# Allegro board MK60_PACK_V10A.brd (continued)
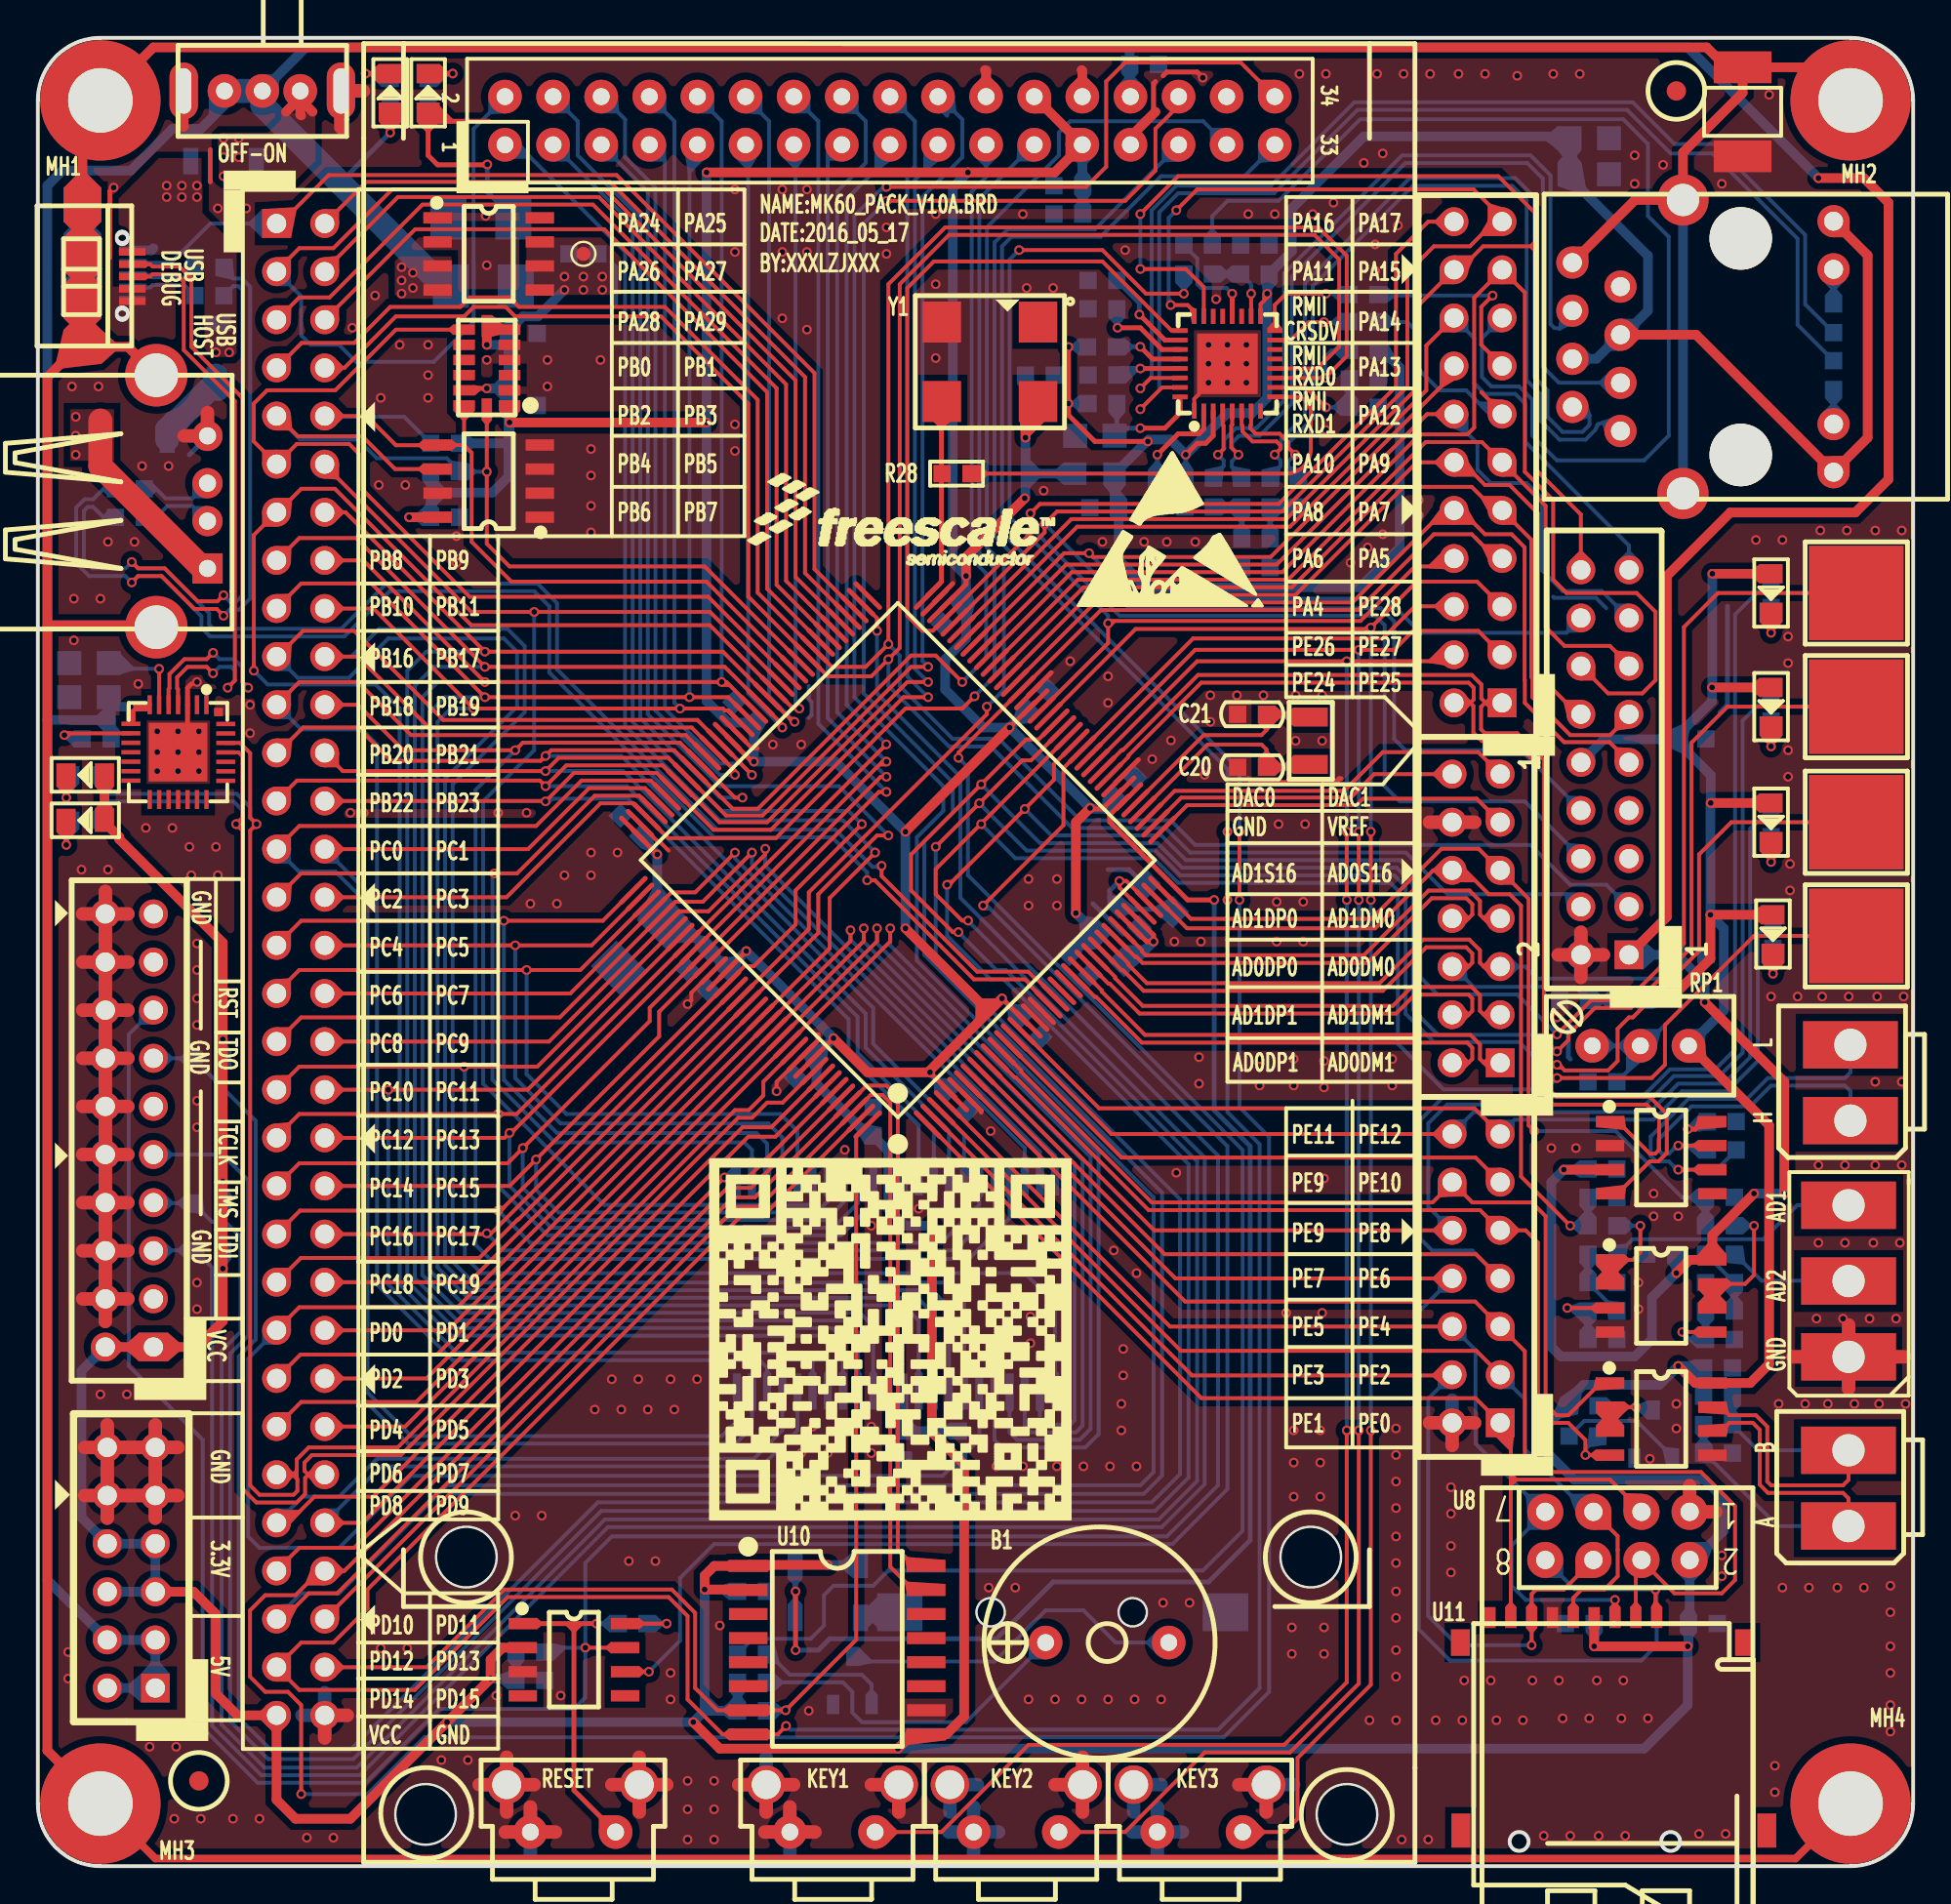
[diagram p0: board, top side]
## Routing (per net, layer and track width the routed paths; a pad name or vN(x,y) marks a point on that pad's centre or on a via; arc(x,y) is an arc through that point) (continued)
ADC1_DM0: length 23
  TOP w0.203: U2.30 58.28,48.35 58.28,48.28 58.49,48.08 70,48.08 73.42,51.49 75.58,51.49 76.13,50.94 76.13,50.22 76.34,50.02 J6.7
ADC1_DP0: length 22.6
  TOP w0.203: U2.29 57.93,48 58,48 58.32,47.67 70.17,47.67 73.59,51.09 75.41,51.09 75.73,50.77 75.73,50.22 75.52,50.02 J6.8
ADIN1: length 13.3
  BOTTOM w0.203: J10.3 92.88,34.88 91.09,33.09 84.19,33.09 83.4,32.3 R38.1
ADIN2: length 6.6
  BOTTOM w0.203: J10.2 95.58,30.9 91,30.9 89.6,32.3 R43.1
ADXL_INT: length 49.9
  TOP w0.203: U6.8 18.9,81.1 15.7,77.9 12.1,77.9 11.4,77.2 11.4,75.2 J1.11 13.67,75.07 16.43,75.07 17.1,74.4 17.1,72.69 22.79,67 35.39,67 U2.85
B5: length 76.3
  TOP w0.203: U2.86 35.48,66.2 v1(26.2,66.2) 22.89,66.2 15.14,73.95 J1.12
  BOTTOM w0.203: v1(26.2,66.2) 26.2,58.9 23.5,56.2 23.5,41.3 29.9,34.9 40.7,34.9 40.9,35.1 U1.28
B6: length 137
  TOP w0.203: v1(40.2,61.1) 39.87,61.1 U2.87 38.86,62.12 35.47,65.5 22.88,65.5 15.68,72.7 13.9,72.7 12.66,71.46 J1.13 11.4,70.26 v1(11.4,63.1)
  BOTTOM w0.203: U1.16 41.7,27.5 41.2,28 21.8,28 19.1,30.7 19.1,61.1 17.83,62.37 12.13,62.37 v1(11.4,63.1) ; J2.13 40,90.76 40,61.3 v1(40.2,61.1)
B7: length 127.2
  TOP w0.203: J1.14 16.24,71.46 v1(23.6,64.1) 36.17,64.1 U2.88 39.87,60.4 v1(39.95,60.4)
  BOTTOM w0.203: v1(23.6,64.1) 20.5,64.1 19.5,63.1 19.5,30.87 21.97,28.4 41.93,28.4 42.5,27.83 U1.15 ; J2.12 37.36,93.34 38.6,92.1 38.6,61.75 v1(39.95,60.4)
B8: length 126.1
  TOP w0.203: v1(39.3,60.1) 39.3,60.26 U2.89 36.26,63.3 v1(23.6,63.3) 16.8,70.1 13.8,70.1 12.62,68.92 J1.15
  BOTTOM w0.203: v1(23.6,63.3) 20.9,63.3 19.9,62.3 19.9,31.03 22.13,28.8 42.66,28.8 43.3,28.16 U1.14 ; v1(39.3,60.1) 37.5,61.9 37.5,90.72 J2.11
B9: length 119.8
  TOP w0.203: 37.8,61.05 U2.90 36.35,62.5 v1(36.1,62.5) v1(23.6,62.5) 17.18,68.92 J1.16
  BOTTOM w0.203: v1(23.6,62.5) 21.1,62.5 20.3,61.7 20.3,31.2 22.3,29.2 43.39,29.2 44.1,28.49 U1.13 ; J2.10 34.82,93.38 36.1,92.1 v1(36.1,62.5)
B10: length 121
  TOP w0.203: 37.45,60.7 36.45,61.7 v1(34.4,61.7) v1(23.6,61.7) 17.6,67.7 13.9,67.7 12.6,66.4 J1.17
  BOTTOM w0.203: U1.10 46.5,28.8 45.7,29.6 22.53,29.6 20.7,31.43 20.7,60.9 21.5,61.7 v1(23.6,61.7) ; J2.9 34.4,90.44 v1(34.4,61.7)
B11: length 119.7
  TOP w0.203: J1.18 17.72,66.38 v1(23,61.1) v1(33.9,61.1) 36.17,61.1 36.27,61 36.44,61 U2.92
  BOTTOM w0.203: v1(33.9,61.1) 33.6,61.4 33.6,92.1 32.3,93.4 J2.8 ; v1(23,61.1) 21.8,61.1 21.1,60.4 21.1,31.6 22.7,30 46.43,30 47.3,29.13 U1.9
B16: length 145.2
  TOP w0.203: v1(37.7,57.6) 37.7,57.6 37.1,58.2 37.1,58.22 U2.95 34.82,60.5 21.4,60.5 16.7,65.2 14,65.2 12.64,63.84 J1.19
  BOTTOM w0.203: J1.19 13.72,62.72 16.42,62.72 18.5,64.8 24.6,64.8 25.3,64.1 25.3,61.2 21.5,57.4 21.5,31.73 22.83,30.4 47.2,30.4 48.1,29.5 U1.8 ; J2.7 33.1,90.04 33.1,61.1 36,58.2 37.1,58.2 37.7,57.6 v1(37.7,57.6)
B17: length 141.8
  TOP w0.203: v1(36.8,57.6) 36.8,57.81 U2.96 35.68,58.93 34.51,60.1 20.64,60.1 16.9,63.84 J1.20
  BOTTOM w0.203: J1.20 16.54,63.84 18,65.3 24.8,65.3 25.7,64.4 25.7,60.9 21.9,57.1 21.9,31.9 23,30.8 47.93,30.8 48.9,29.83 U1.7 ; v1(36.8,57.6) 36,57.6 32.6,61 32.6,88.6 31,90.2 31,92.2 29.8,93.4 J2.6
B18: length 83.2
  TOP w0.203: J1.21 13.8,62.5 16.9,62.5 19.7,59.7 34.2,59.7 U2.97
  BOTTOM w0.203: J1.21 13.9,60 17.1,60 17.9,59.2 17.9,30.7 21.9,26.7 38.1,26.7 38.5,26.3 U1.20
B19: length 124.8
  TOP w0.203: J1.22 16.9,61.3 19.3,58.9 v1(25.2,58.9) 25.6,59.3 33.9,59.3 U2.98 36.8,56.4 v1(37.2,56.4)
  BOTTOM w0.203: U1.41 51.3,34.2 49.15,32.05 23.85,32.05 23.1,32.8 23.1,56.8 v1(25.2,58.9) ; v1(37.2,56.4) 36,56.4 31.8,60.6 31.8,87 28.5,90.3 28.5,92.1 J2.4
B20: length 106.2
  TOP w0.203: J1.23 12.66,58.76 14,60.1 16.9,60.1 18.66,58.34 26.54,58.34 v1(26.8,58.6) 27.1,58.9 33.59,58.9 U2.99 36.68,55.81 38.01,55.81 46.1,63.9 47.4,63.9 v1(48.8,62.5)
  BOTTOM w0.203: J2.21 50.06,89.16 49.3,88.4 49.3,69 50.06,68.24 50.06,63.76 v1(48.8,62.5) ; v1(26.8,58.6) 30.8,58.6 44.1,45.3 44.1,43.4 48.9,38.6 U1.38
B21: length 102.6
  TOP w0.203: J1.24 16.1,57.8 v1(26.8,57.8) 27.5,58.5 33.28,58.5 34.26,57.52 U2.100 36.33,55.46 38.26,55.46 46.1,63.3 v1(47,63.3)
  BOTTOM w0.203: 48,92.4 48,92.92 J2.20 47.6,93.4 48.8,92.2 48.8,90.2 46.7,88.1 46.7,63.6 v1(47,63.3) ; v1(26.8,57.8) 30.9,57.8 43.7,45 43.7,43.2 48.1,38.8 U1.37
B22: length 100.6
  TOP w0.203: v1(47,62.5) 45.9,62.5 38.5,55.1 35.98,55.1 U2.101 32.98,58.1 27.9,58.1 v1(26.8,57) 26.5,57.3 13.68,57.3 J1.25
  BOTTOM w0.203: v1(47,62.5) 46.3,63.2 46.3,89 47.52,90.22 J2.19 ; v1(26.8,57) 31.1,57 43.28,44.82 43.28,42.92 47.3,38.9 U1.36
B23: length 100.3
  TOP w0.203: 26.78,56.22 26.82,56.22 28.3,57.7 32.67,57.7 U2.102 35.67,54.7 38.7,54.7 45.7,61.7 v1(47,61.7) ; 26.78,56.22 v1(26.8,56.2) ; 26.78,56.22 J1.26
  BOTTOM w0.203: v1(47,61.7) 45.9,62.8 45.9,89.3 46.3,89.7 46.3,92.1 45,93.4 J2.18 ; v1(26.8,56.2) 26.94,56.34 31.16,56.34 42.8,44.7 42.8,42.8 46.5,39.1 U1.35
BL: length 71.3
  TOP w0.203: v1(49.45,61.75) 48.8,61.1 45.8,61.1 38.96,54.26 33.28,54.26 U2.106 31.44,56.1 29.7,56.1 24.74,51.14 J1.30
  BOTTOM w0.203: v1(49.45,61.75) 50.5,62.8 50.5,68.5 49.7,69.3 49.7,88 52.56,90.86 J2.23
C0: length 78.2
  TOP w0.203: J1.27 12.6,53.7 13.8,54.9 26.3,54.9 28.7,57.3 32.36,57.3 U2.103
  BOTTOM w0.203: J1.27 13.78,52.5 15.7,52.5 17,51.2 17,24.83 19.53,22.3 36.83,22.3 37.7,23.17 U1.21
C1: length 71.3
  TOP w0.203: U2.104 32.05,56.9 29.1,56.9 25.88,53.68 J1.28
  BOTTOM w0.203: U1.22 36.9,23.5 36.1,22.7 19.7,22.7 17.4,25 17.4,51.42 J1.28
C2: length 50
  TOP w0.203: J1.29 12.64,51.14 13.9,52.4 v1(24.1,52.4) 25.3,52.4 29.4,56.5 31.75,56.5 U2.105
  BOTTOM w0.203: v1(24.1,52.4) 24,52.3 24,41.5 27.3,38.2 37.3,38.2 37.7,37.8 U1.24
C4: length 45.5
  TOP w0.203: J1.31 13.9,49.9 v1(24.6,49.9) 29.83,49.9 31.43,51.51
  BOTTOM w0.203: U1.25 38.5,38.13 37.93,38.7 27.4,38.7 24.6,41.5 v1(24.6,49.9)
C5: length 42.2
  TOP w0.203: U2.110 29.23,48.6 v1(25.2,48.6) J1.32
  BOTTOM w0.203: U1.26 39.3,38.46 38.56,39.2 27.6,39.2 25.2,41.6 v1(25.2,48.6)
C6: length 45
  TOP w0.203: J1.33 12.6,46.1 13.8,47.3 v1(25.8,47.3) 28.64,47.3 U2.111
  BOTTOM w0.203: U1.27 40.1,38.79 39.19,39.7 27.9,39.7 25.8,41.8 v1(25.8,47.3)
C7: length 48.2
  TOP w0.203: v1(36.8,53.5) 34.7,51.4 33.45,51.4 U2.112 28.11,46.06 J1.34
  BOTTOM w0.203: U1.42 52.1,37.9 36.8,53.2 v1(36.8,53.5)
C8: length 52.7
  TOP w0.203: J1.35 12.62,43.52 13.9,44.8 27.55,44.8 U2.113 33.65,50.9 35.1,50.9 v1(37.7,53.5)
  BOTTOM w0.203: U1.43 52.9,37.7 37.7,52.9 v1(37.7,53.5)
C9: length 51.3
  TOP w0.203: J1.36 26.98,43.52 U2.114 33.86,50.4 35.4,50.4 38.4,53.4 v1(38.4,53.7)
  BOTTOM w0.203: U1.44 53.7,37.5 38.4,52.8 v1(38.4,53.7)
C10: length 71.3
  TOP w0.203: J1.37 12.6,41 13.8,42.2 v1(22.5,42.2) 26.37,42.2 U2.115
  BOTTOM w0.203: v1(22.5,42.2) 22.54,42.16 22.54,32.16 23.4,31.3 52.1,31.3 53.7,29.7 U1.1
C11: length 58
  TOP w0.203: J1.38 v1(18.5,40.98) 25.85,40.98 33.91,49.03 U2.116
  BOTTOM w0.203: U1.17 40.9,26.6 40.4,27.1 22.1,27.1 18.5,30.7 v1(18.5,40.98)
C12: length 101
  TOP w0.203: J1.39 12.6,38.5 13.8,39.7 v1(24.3,39.7) 25.28,39.7 34.26,48.68 U2.117 v1(44.79,59.21)
  BOTTOM w0.203: v1(24.3,39.7) 24.3,35.9 26.9,33.3 42.4,33.3 44.1,35 U1.32 ; v1(44.79,59.21) 42.7,61.3 42.7,88 44.98,90.28 J2.17
C13: length 99.2
  TOP w0.203: v1(44.8,58.3) 44.59,58.3 U2.118 24.99,38.7 v1(24.9,38.7) 24.64,38.44 J1.40
  BOTTOM w0.203: U1.31 43.3,35 42,33.7 27.1,33.7 24.9,35.9 v1(24.9,38.7) ; J2.16 42.44,93.36 43.7,92.1 43.7,89.9 42.2,88.4 42.2,60.9 v1(44.8,58.3)
C14: length 97.9
  TOP w0.203: J1.41 13.8,37.1 24.8,37.1 v1(25.6,37.9) 32.3,44.6 32.3,45.3 U2.119 44.5,57.5 v1(44.8,57.5)
  BOTTOM w0.203: U1.30 42.5,35 41.6,34.1 27.3,34.1 25.6,35.8 v1(25.6,37.9) ; v1(44.8,57.5) 41.7,60.6 41.7,90.12 J2.15
C15: length 96.8
  TOP w0.203: v1(44.8,56.7) 44.4,56.7 U2.120 32.8,45.1 32.8,43.8 v1(26.3,37.3) 24.9,35.9 J1.42
  BOTTOM w0.203: v1(26.3,37.3) 26.3,35.7 27.5,34.5 41.1,34.5 41.7,35.1 U1.29 ; v1(44.8,56.7) 41.2,60.3 41.2,92.1 J2.14
C16: length 115.9
  TOP w0.203: v1(43.5,55) 40,51.5 40,49.7 37.8,47.5 37.3,47.5 36.38,46.58 U2.123 24.43,34.6 v1(24.3,34.6) 13.84,34.6 J1.43
  BOTTOM w0.203: J2.3 31.4,86.66 31.4,60.4 36.1,55.7 42.8,55.7 v1(43.5,55) ; v1(24.3,34.6) 26,32.9 47.7,32.9 49.7,34.9 U1.39
C17: length 56.8
  TOP w0.203: U2.124 23.89,33.36 23.66,33.36 ; J1.44 23.66,33.36 ; 23.66,33.36 v1(23.7,33.4)
  BOTTOM w0.203: U1.40 50.5,34.57 48.43,32.5 24.6,32.5 v1(23.7,33.4)
C18: length 93.7
  TOP w0.203: J1.45 13.88,32.1 23.3,32.1 25.33,34.13 25.37,34.13 U2.125 40.7,49.46 40.7,51.4 50.1,60.8 v1(50.1,61.2)
  BOTTOM w0.203: v1(50.1,61.2) 51,62.1 51,68.7 50.1,69.6 50.1,86.5 53.9,90.3 53.9,91.5 54.5,92.1 61.52,92.1 J2.31
C19: length 87.2
  TOP w0.203: v1(44.9,54.4) 44.3,54.4 41.2,51.3 41.2,49.25 22.77,30.82 J1.46
  BOTTOM w0.203: J2.5 32.2,88.4 32.2,60.8 36,57 42.3,57 v1(44.9,54.4)
CAN_RX: length 59.9
  TOP w0.203: U12.4 83.39,35.49 85.1,37.2 85.56,37.2 86,37.64 86,39.7 85.1,40.6 80.17,40.6 79.51,41.27 79.51,58.39 78.1,59.8 76.39,59.8 76.19,60 76.19,61.19 76.4,61.4 76.44,61.4 ; U2.46 57.22,58.91 57.29,58.91 61.25,62.87 75.7,62.87 76.21,62.37 76.21,61.63 76.44,61.4 ; 76.44,61.4 J4.1
CAN_TX: length 58.2
  TOP w0.203: 75.62,61.4 75.8,61.58 75.8,62.2 75.53,62.47 61.42,62.47 57.58,58.62 57.58,58.56 U2.45 ; 75.62,61.4 75.78,61.24 75.78,59.83 76.23,59.39 77.93,59.39 79.1,58.23 79.1,41.1 80.01,40.19 84.93,40.19 85.59,39.53 85.59,37.81 85.39,37.61 85.1,37.61 83.41,39.3 U12.1 ; 75.62,61.4 J4.2
CE: length 54.9
  TOP w0.203: 77.76,20.4 77.76,22.84 J7.1 75.9,24.7 61.43,24.7 46.99,39.13 ; 77.76,20.4 83,20.4 84.66,18.74 U8.3 ; 77.76,20.4 U11.8
CLK_50M: length 10.7
  TOP w0.203: R28.1 47.74,73.44 47.7,73.4
  TOP w0.254: 46.99,67.07 46.99,67.09 47.7,67.8 47.7,75.96 47.72,75.98 Y1.3
CONFIG0: length 3.6
  TOP w0.254: U5.28 58.85,79.55 v1(58.2,80.2)
  BOTTOM w0.254: R27.1 56.95,80.2 v1(58.2,80.2)
CONFIG1: length 3.5
  TOP w0.254: U5.29 v1(58.2,79.05)
  BOTTOM w0.254: R29.1 57.31,79.05 v1(58.2,79.05)
CONFIG2: length 4
  TOP w0.203: U5.18 v1(64.05,83)
  BOTTOM w0.203: R22.1 R30.1 64.05,83.49 v1(64.05,83)
D0: length 87.4
  TOP w0.203: 37.8,45.14 22.15,29.5 13.8,29.5 12.6,28.3 J1.47
  BOTTOM w0.203: J1.47 11.1,26.78 11.1,17.4 11.7,16.8 15.9,16.8 19.7,20.6 47.76,20.6 R1.2 49.7,22.54 U1.6
D1: length 90.7
  TOP w0.203: v1(44.2,53.5) 41.8,51.1 41.8,48.44 U2.128 21.64,28.28 J1.48
  BOTTOM w0.203: v1(44.2,53.5) 44.2,53.51 42.51,55.2 36,55.2 31,60.2 31,85.2 25.34,90.86 J2.1
D2: length 74.8
  TOP w0.203: J1.49 13.86,27 21.07,27 32.1,38.03 U2.129 42.9,48.83 v1(42.9,49.4)
  BOTTOM w0.203: U1.2 52.9,23.5 53.1,23.3 54.5,23.3 54.73,23.53 54.73,37.07 42.9,48.9 v1(42.9,49.4)
D3: length 74.9
  TOP w0.203: J1.50 20.52,25.74 U2.130 43.6,48.83 v1(43.6,49.5)
  BOTTOM w0.203: v1(43.6,49.5) 43.6,48.8 55.15,37.25 55.15,23.25 54.8,22.9 52.4,22.9 52.1,23.2 U1.3
D4: length 80.9
  TOP w0.203: J1.51 13.9,24.5 19.98,24.5 U2.131 39.21,43.73 44.3,48.82 v1(44.3,49.5)
  BOTTOM w0.203: v1(44.3,49.5) 44.3,48.7 55.58,37.42 55.58,23.08 55,22.5 51.7,22.5 51.3,22.9 U1.4
D5: length 80.9
  TOP w0.203: v1(45,49.5) 45,48.81 U2.132 19.39,23.2 J1.52
  BOTTOM w0.203: U1.5 50.5,22.5 50.9,22.1 55.3,22.1 56,22.8 56,37.6 45,48.6 v1(45,49.5)
D8: length 69.2
  TOP w0.203: J1.55 13.22,18.12 14.6,19.5 17.7,19.5 37.2,39 38.72,39 U2.137
  BOTTOM w0.203: J1.55 13.98,19.5 15.9,19.5 17.9,21.5 37.8,21.5 39.3,23 U1.19
D9: length 65.2
  TOP w0.203: U2.138 38.93,38.5 37.5,38.5 17.12,18.12 J1.56
  BOTTOM w0.203: U1.18 40.1,23 38.2,21.1 18.12,21.1 J1.56
D10: length 40.6
  TOP w0.203: J1.57 12.6,15.6 13.8,16.8 16.7,16.8 v1(36.25,36.35) 37.49,36.35 U2.139
  BOTTOM w0.203: U1.23 v1(36.25,36.35)
D11: length 206.1
  TOP w0.203: v1(63.44,54.6) v1(63.44,51) ; U2.140 37.65,35.8 36.4,35.8 16.18,15.58 J1.58 14.88,15.58 13.6,14.3 12,14.3 11.2,13.5 11.2,10 12,9.2 13.2,9.2 13.9,8.5 v1(13.9,3.8)
  BOTTOM w0.203: v1(63.44,54.6) 63.44,57.87 50.9,70.4 50.9,85.5 51.4,86 56.1,86 59.3,89.2 63.7,89.2 65.3,90.8 J2.33 ; v1(63.44,51) 63.44,40.06 65,38.5 65,9.2 62.6,6.8 20.4,6.8 17.4,3.8 v1(13.9,3.8)
DAC0_OUT: length 16.7
  TOP w0.203: U2.38 60.37,56.4 69.31,56.4 70.55,57.64 J6.14
DAC1_OUT: length 20.4
  TOP w0.203: J6.13 76.04,58.8 71,58.8 68.96,56.76 60.02,56.76 U2.39
E6: length 87.1
  TOP w0.203: J7.7 75.92,32.3 59.48,32.3 U2.9
  BOTTOM w0.203: R2.2 89.6,66.06 89.6,43.1 88.56,42.06 86.16,42.06 84.7,40.6 74.2,40.6 73,39.4 73,33.1 73.61,32.49 75.73,32.49 J7.7
E7: length 72.1
  TOP w0.203: U2.10 58.93,33.56 J7.10
  BOTTOM w0.203: J7.10 74.64,33.56 73.4,34.8 73.4,39.2 74.4,40.2 84.87,40.2 86.37,41.7 88.77,41.7 90,42.93 90,60.46 R3.2
E10: length 29
  TOP w0.203: U2.13 57.21,37.4 75.9,37.4 J7.11
E11: length 56.2
  TOP w0.203: U2.14 56.68,38.64 J7.14
  BOTTOM w0.203: J7.14 74.66,38.66 75.8,39.8 85.1,39.8 86.6,41.3 89,41.3 90.4,42.7 90.4,54.76 R5.2
E12: length 50.5
  TOP w0.203: U2.15 56.03,40 75.84,40 J7.13
  BOTTOM w0.203: R7.2 90.8,49.16 90.8,42.5 89.2,40.9 86.8,40.9 85.3,39.4 77.96,39.4 J7.13
E26: length 103.4
  TOP w0.203: U2.47 61.2,63.6 69.1,63.6 v1(69.1,63.6) 74.42,63.6 J4.4 ; v1(69.1,23) 69.1,9.7 65.8,6.4 52.3,6.4 47.7,1.8 SW1.3 ; v1(69.1,51) v1(69.1,54.6)
  BOTTOM w0.203: v1(69.1,63.6) v1(69.1,54.6) ; v1(69.1,51) v1(69.1,23)
E27: length 98.8
  TOP w0.203: U2.48 61.1,64.2 69.68,64.2 69.71,64.23 v1(69.73,64.2) 71.6,64.2 72.6,65.2 76.04,65.2 J4.3 ; SW3.3 57.4,1.8 61.6,6 66.1,6 69.73,9.63 v1(69.73,23) ; v1(69.73,51) v1(69.73,54.6)
  BOTTOM w0.203: v1(69.73,51) v1(69.73,23) ; v1(69.73,64.2) v1(69.73,54.6)
E28: length 107.2
  TOP w0.203: U3.6 v1(32.26,10.26) ; v1(49.9,50.7) 54.14,54.94 54.14,57.96 U2.49 60.99,64.8 71,64.8 72.7,66.5 74.74,66.5 J4.6
  BOTTOM w0.203: v1(32.26,10.26) 33.9,11.9 33.9,15.2 35.7,17 59.9,17 62.8,19.9 62.8,38 50.1,50.7 v1(49.9,50.7)
EXTAL32: length 11.7
  TOP w0.203: X1.1 67.05,60.8 C21.2 64.86,59.96 64.6,59.7 61.55,59.7 U2.41
I2C_SCL: length 48.3
  TOP w0.203: U6.14 v1(23.7,73.6) 23.7,69.8 24.9,68.6 35.2,68.6 40.27,63.53 U2.83 ; J1.9 12.66,76.54 13.73,75.47 17.13,75.47 18.86,73.74 U7.6
  BOTTOM w0.203: J1.9 13.84,75.3 16.9,75.3 17.89,74.31 21.59,74.31 22.26,73.64 R36.2 v1(23.7,73.6)
I2C_SDA: length 41.4
  TOP w0.203: 22.49,75.01 22.5,75.02 U6.13 ; 22.49,75.01 22.9,74.6 22.9,69.9 25,67.8 35.3,67.8 U2.84 ; 22.49,75.01 U7.5 21.09,75 18.9,75 17.36,76.54 J1.10
  BOTTOM w0.203: J1.10 16.13,76.54 16.17,76.5 19.34,76.5 R35.2
JTAG_TCLK: length 210.7
  TOP w0.203: T1.1 88.7,67.2 86.9,65.4 86.9,48.7 83.9,45.7 82,45.7 v1(80.2,43.9) ; v1(48,51.8) 48.1,51.8 v1(52.1,55.8) 53.64,57.34 53.64,58.16 54.77,59.29 U2.50
  BOTTOM w0.203: v1(52.1,55.8) 53.5,54.4 59.31,54.4 60.61,53.1 71.9,53.1 73,52 73,46.9 73.89,46.01 78.09,46.01 v1(80.2,43.9) ; v1(48,51.8) 48,49.11 50.31,46.8 51,46.8 60.75,37.05 60.75,20.51 58.99,18.75 29.75,18.75 16.65,5.65 12.15,5.65 10.15,7.65 10.15,27.05 11.1,28 11.1,36.2 9.74,37.56 J3.9
JTAG_TDI: length 197.3
  TOP w0.203: v1(49.8,55) 49.77,55 ; 49.77,55 U2.51 ; 49.77,55 47.4,52.63 47.4,51.3 48.79,49.91 v1(49.11,49.91) ; v1(80.2,41.6) 85.2,41.6 85.9,42.3 85.9,44.4 90.6,49.1 T4.1
  BOTTOM w0.203: J3.5 6.12,32.5 R8.1 8.3,32.5 9.2,31.6 9.2,7.4 11.8,4.8 17,4.8 30.1,17.9 59.34,17.9 61.6,20.16 61.6,37.4 49.2,49.8 49.2,49.82 v1(49.11,49.91) ; v1(80.2,41.6) 79.6,41 74.2,41 71.8,43.4 71.8,51.5 71.4,51.9 60.2,51.9 58.9,53.2 51.6,53.2 v1(49.8,55)
JTAG_TDO: length 208.3
  TOP w0.203: v1(80.2,42.3) 80.3,42.3 80.6,42 82.9,42 83.4,42.5 83.4,44.2 84,44.8 84.2,44.8 87.7,48.3 87.7,53.4 89.4,55.1 T3.1 ; U2.52 52.43,58.37 51.97,58.37 v1(49.7,56.1) v1(47.4,53.8)
  BOTTOM w0.203: v1(80.2,42.3) 79.4,42.3 78.2,43.5 73.7,43.5 72.21,44.99 72.21,51.69 71.6,52.3 60.3,52.3 59,53.6 52.2,53.6 v1(49.7,56.1) ; J3.13 7.51,42.64 7.55,42.6 R10.1 11.5,39.34 11.5,27.8 10.6,26.9 10.6,7.84 12.34,6.1 16.46,6.1 29.56,19.2 58.8,19.2 60.3,20.7 60.3,35.2 47.4,48.1 v1(47.4,53.8)
JTAG_TMS: length 210.5
  TOP w0.203: v1(80.2,43) 80.8,43.6 80.8,43.9 82.2,45.3 84.1,45.3 87.3,48.5 87.3,59.3 89.2,61.2 T2.1 ; U2.53 52.83,59.47 52.17,59.47 v1(49.8,57.1) 46.1,53.4 46.1,51.5 48.3,49.3 v1(48.6,49.3)
  BOTTOM w0.203: v1(80.2,43) 79.33,43.87 73.93,43.87 72.6,45.2 72.6,51.83 71.73,52.7 60.41,52.7 59.11,54 52.9,54 v1(49.8,57.1) ; v1(48.6,49.3) 50.6,47.3 51.1,47.3 61.2,37.2 61.2,20.33 59.17,18.3 29.93,18.3 16.83,5.2 11.97,5.2 9.7,7.47 9.7,27.2 10.7,28.2 10.7,33.2 9.9,34 9.2,34 8.24,34.96 R9.1 6.12,35 J3.7
LED0: length 57.5
  TOP w0.203: U5.30 58.75,78.55 v1(58.2,78)
  BOTTOM w0.203: R19.2 93.3,82.44 93.3,86.1 88.5,90.9 86.4,90.9 84.2,93.1 69.5,93.1 65.1,88.7 60.1,88.7 58.8,87.4 58.8,78.6 v1(58.2,78)
LED1: length 59.4
  TOP w0.203: v1(58.2,76.9) 59.35,78.05 U5.31
  BOTTOM w0.203: R20.2 92.9,81.36 92.9,85.9 88.4,90.4 86.2,90.4 83.9,92.7 69.67,92.7 65.27,88.3 60.2,88.3 59.2,87.3 59.2,77.9 v1(58.2,76.9)
NRF_IRQ: length 73.3
  TOP w0.203: v1(85.4,14.6) 85.4,13.18 U11.1 ; U2.8 60.06,31.02 J7.8
  BOTTOM w0.203: J7.8 72.9,29.26 72.9,12.5 74.55,10.85 84.65,10.85 85.46,11.66 85.46,14.54 v1(85.4,14.6) 83.5,14.6 83.49,14.61 81.13,14.61 U8.8
RMII0_CRS_DV: length 59.9
  BOTTOM w0.203: R22.2 62,87.1 62.8,87.9 65.5,87.9 69.8,92.2 83.7,92.2 85,90.9 85,87.1 86.1,86 86.1,75.5 84.8,74.2 80.2,74.2 78.9,75.5 78.9,77.4 78.2,78.1 76.73,78.1 76.23,78.6 76.23,80.65 J4.17
RMII0_MDC: length 141.6
  TOP w0.203: U5.12 67.55,79.05 68.7,80.2 68.7,84.8 67.4,86.1 48.1,86.1 45.5,83.5 45.5,64.3 v1(44.9,63.7) 44,62.8 41.71,62.8 U2.82 37.5,67.01 37.5,77.19 32.89,81.8 25.19,81.8 24.69,82.3 23.01,82.3 22.51,81.8 18.9,81.8 16.18,79.08 J1.8
  BOTTOM w0.203: v1(44.9,63.7) 44.9,62.3 48.1,59.1 50.3,59.1 54.6,54.8 59.53,54.8 60.83,53.5 72.21,53.5 74.41,51.3 80.7,51.3 81.36,50.64 J5.4
RMII0_MDIO: length 151.3
  TOP w0.203: J1.7 13.92,80.4 16.7,80.4 18.6,82.3 22.3,82.3 22.8,82.8 24.9,82.8 25.4,82.3 33.1,82.3 38,77.4 38,67.22 U2.81 41.92,63.3 43.7,63.3 v1(44.9,64.5) 44.9,83.5 47.9,86.5 67.6,86.5 69.1,85 69.1,79.7 v1(67.95,78.55) U5.11
  BOTTOM w0.203: v1(67.95,78.55) 67.95,79.65 68.3,80 R32.2 ; J5.3 83.96,50.64 82.8,51.8 80.9,51.8 78.8,53.9 61.1,53.9 59.8,55.2 55.04,55.2 50.74,59.5 48.3,59.5 45.5,62.3 45.5,63.9 v1(44.9,64.5)
RMII0_RXD0: length 10.5
  TOP w0.203: v1(76.8,82.9) 76.2,82.3 76.2,80.3 77.3,79.2 J4.15
  BOTTOM w0.203: v1(76.8,82.9) 70.79,82.9 R33.2
RMII0_RXD1: length 11.3
  TOP w0.203: 76.2,77.8 77.3,76.7 J4.13
  BOTTOM w0.203: R34.2 70.76,81.5 72.3,81.5 72.8,81 72.8,79.1 74,77.9 75.4,77.9 76.66,76.64 J4.13
RMII0_RXER: length 58.4
  TOP w0.203: v1(51.8,85.3) 56.2,85.3 58.5,83 v1(60.5,83) ; 53,61.05 56.5,64.55 v1(56.5,65.6) 56.63,65.73 69.83,65.73 72.7,68.6 74.34,68.6 J4.8
  BOTTOM w0.203: v1(56.5,65.6) 56.5,66 51.3,71.2 51.3,84.8 v1(51.8,85.3) ; R21.2 v1(60.5,83)
RMII0_TXD0: length 105
  TOP w0.203: U5.24 61.05,82.05 60.7,82.4 v1(59.8,82.4) ; U2.68 53.15,70.4 v1(53.15,70.85) 53.8,71.5 65.7,71.5 72.3,78.1 72.3,84.1 73.7,85.5 75.6,85.5 76.9,86.8 J4.21 77.3,87 75.8,88.5 61.2,88.5 v1(60.1,87.4)
  BOTTOM w0.203: v1(53.15,70.85) 57.6,66.4 70.9,66.4 71.6,65.7 71.6,59.5 72.2,58.9 78.3,58.9 81.46,55.74 J5.8 ; v1(60.1,87.4) 59.7,87 59.7,82.5 v1(59.8,82.4)
RMII0_TXD1: length 118.7
  TOP w0.203: J4.22 73.4,86.8 71.7,85.1 71.7,78.1 65.5,71.9 52.9,71.9 v1(52.4,71.4) 52.4,70.35 U2.69 47.26,65.21 46.69,65.21 45.9,66 45.9,83.3 47.3,84.7 56.2,84.7 59.85,81.05 U5.25